# KiCad board Panel3-copy2.kicad_pcb (continued)
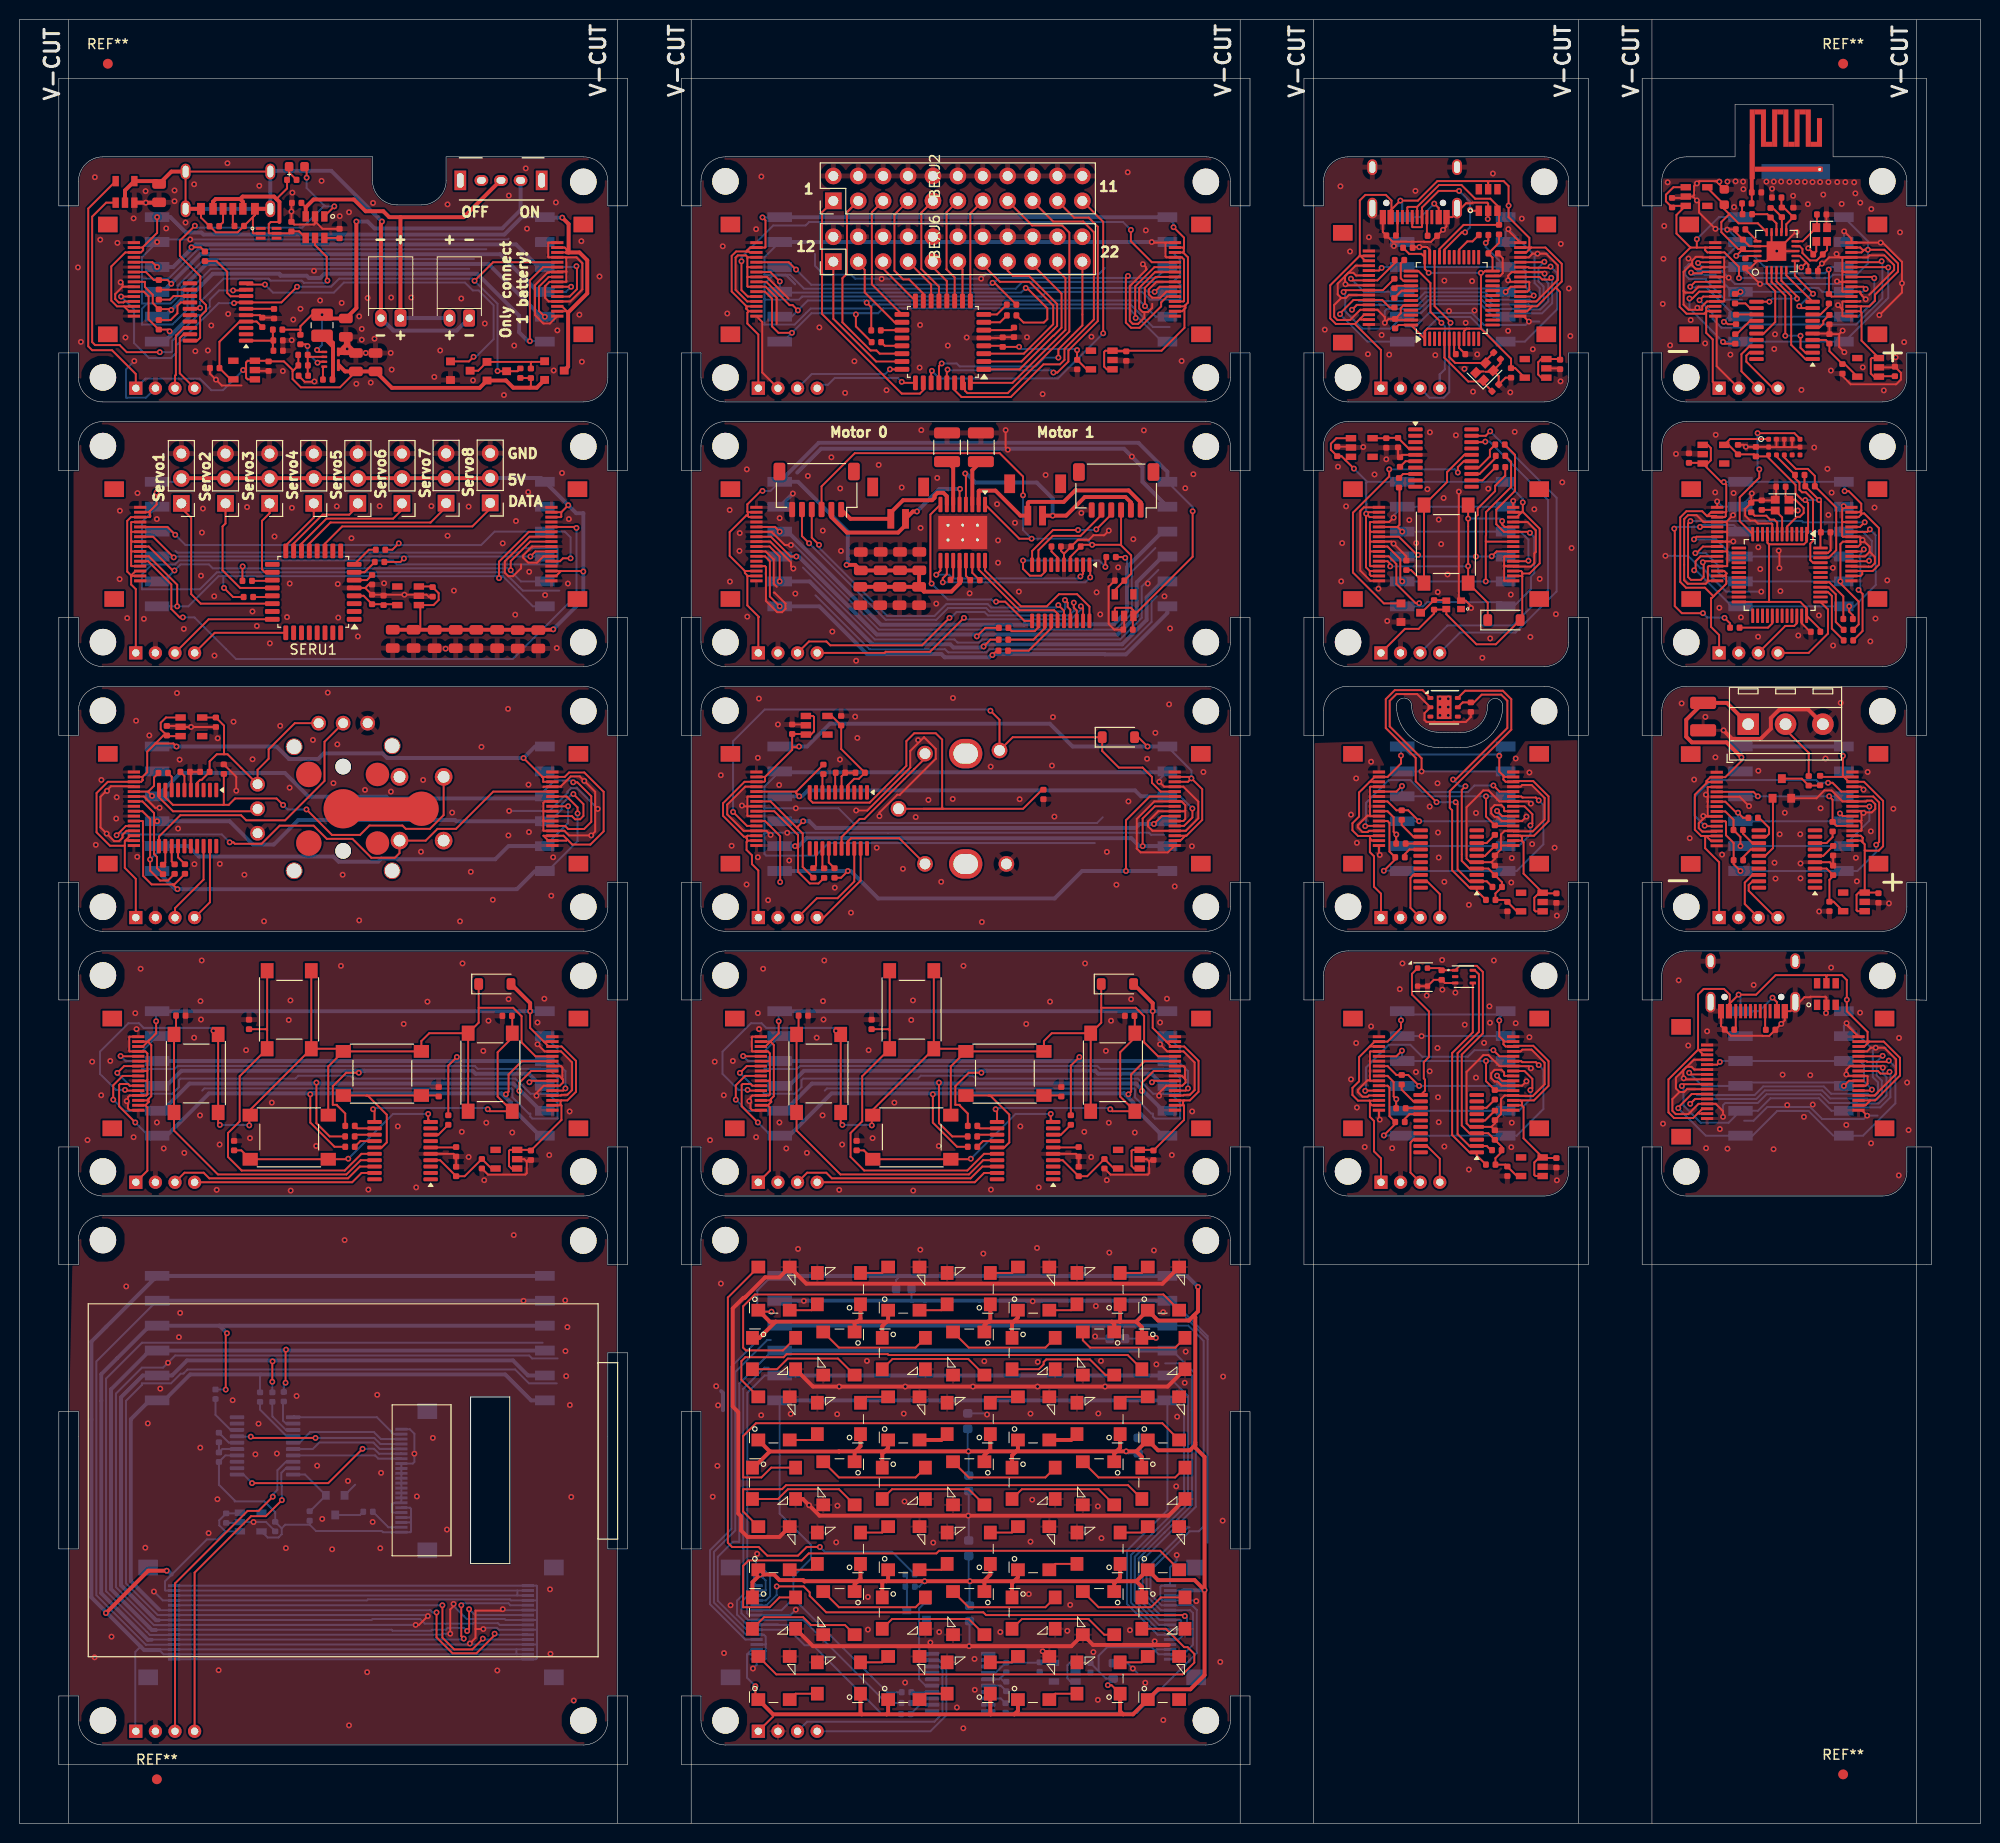
[diagram p0: board, top side]
## Routing (per net, layer and track width the routed paths; a pad name or vN(x,y) marks a point on that pad's centre or on a via; arc(x,y) is an arc through that point) (continued)
  Bottom w0.2: 116.75,100.85 115.4,100.85 115.2,101.05 v1(78.3,101.05) 76.1,101.05 75.97,100.92 ; 75.97,103.55 75.97,105.76 DIAJ3.2 ; 75.97,103.55 75.97,100.92 ; 75.97,103.55 v1(79.17,103.55) 83.53,103.55 85.03,102.05 109.9,102.05 110.47,102.62 ; 75.97,100.92 75.97,98.89 76.14,98.72 81.22,98.72 82.5,100 109.67,100 ; DIAJ5.5 116.25,106.48 v1(116.25,106.25)
  Bottom w0.4: DIAJ3.2 77.61,107.22 116.99,107.22 DIAJ5.5
  vias: v1(71.53,106.92) v1(72.62,99.72) v1(74.15,95.78) v1(75.3,108.7) v1(75.3,98.55) v1(75.41,114.74) v1(76.35,94.17) v1(77.35,112.1) v1(77.47,105.92) v1(78.5,98.22) v1(83.15,95.45) v1(83.67,108.53) v1(84.8,92.9) v1(85.22,112.9) v1(85.45,110.72) v1(87.42,99.53) v1(90.1,97.38) v1(91.4,102.65) v1(91.65,110.5) v1(92.7,104.4) v1(94,96.05) v1(95.2,114.8) v1(95.17,104.5) v1(98.15,91.95) v1(99.05,107.8) v1(102,104.47) v1(105.3,107.9) v1(105.4,112.85) v1(105.55,102.7) v1(110.9,99.1) v1(111.88,95.75) v1(113.1,104.25) v1(115,108.6) v1(115.85,111.25) v1(117.25,114.15) v1(117.82,95.58) v1(119.58,99.67) v1(120.75,107.25)
DIA_Interrupt5V: length 64.2
  Top w0.2: v1(99.03,113.5) 99.95,112.58 DIASW7.S1 101.3,110.8 DIAD2.1 110.42,109.4 112.12,107.7 114.55,107.7 115.5,106.75 115.5,106.15 116.4,105.25 DIAJ2.12 ; DIAJ1.12 74.2,101.75 v1(72.78,103.17)
  Bottom w0.2: v1(72.78,103.17) 72.78,110.4 76,113.62 98.9,113.62 v1(99.03,113.5)
DIA_MISO: length 59.6
  Top w0.2: DIAJ2.9 115.8,103.75 114.55,102.5 v1(114.55,99.69) ; DIAR4.2 81.49,95.88 80.6,95.88 79.4,97.08 79.4,99.78 ; v1(79.1,99.69) 79.19,99.78 79.4,99.78 ; 79.4,99.78 79.4,100.83 76.97,103.25 DIAJ1.9
  Bottom w0.4: DIAJ3.5 v1(79.1,99.69) 79.44,99.69 80.25,100.5 113.4,100.5 114.21,99.69 v1(114.55,99.69) DIAJ5.2
DIA_MOSI: length 63.6
  Top w0.2: DIAR2.2 83.79,96.47 v1(84.47,97.15) ; v1(77.58,96.03) 77.58,100.7 76.03,102.25 DIAJ1.11 ; v1(112.85,97.15) 112.85,102.33 115.28,104.75 DIAJ2.11
  Bottom w0.2: DIAJ3.6 77.58,97.1 v1(77.58,96.03)
  Bottom w0.4: DIAJ3.6 v1(84.47,97.15) 84.78,97.15 87.58,94.35 105.58,94.35 108.38,97.15 v1(112.85,97.15) DIAJ5.1
DIA_Net-(U3-NRST): length 2
  Top w0.2: DIAU3.6 83.19,107.12 DIAC1.1
DIA_Net-(U3-PA1): length 1.9
  Top w0.2: DIAR1.1 81.89,106.94 DIAU3.8
DIA_Net-(U3-PA5): length 2.1
  Top w0.2: DIAU3.12 81.24,97.72 DIAR3.1
DIA_Net-(U3-PA6): length 2.1
  Top w0.2: DIAR4.1 81.89,97.6 DIAU3.13
DIA_Net-(U3-PA7): length 2.3
  Top w0.2: DIAR2.1 82.54,98.02 DIAU3.14
DIA_PS: length 54.8
  Top w0.2: v1(79.53,104.77) 79.23,105.07 79.23,105.25 ; 79.23,105.25 DIAR1.2 ; 79.23,105.25 DIAJ1.5 ; DIAJ2.5 118.77,101.75 119.62,102.61 v1(119.62,103.53)
  Bottom w0.2: v1(119.62,103.53) 118.38,104.77 DIAJ5.4
  Bottom w0.4: DIAJ5.4 114.38,104.77 113.77,105.38 80.4,105.38 79.8,104.77 v1(79.53,104.77) DIAJ3.3
DIA_SCLK: length 54.6
  Top w0.2: 79.35,101.5 79.88,100.97 79.88,97.56 DIAR3.2 ; 79.35,101.5 76.6,104.25 DIAJ1.7 ; 79.35,101.5 79.35,101.66 v1(79.92,102.23) ; DIAJ2.7 116.5,102.75 v1(115.7,101.95)
  Bottom w0.4: DIAJ3.4 v1(79.92,102.23) 80.55,102.23 81.22,101.55 113.85,101.55 114.25,101.95 v1(115.7,101.95) 116.8,101.95 DIAJ5.3
DIA_SW1: length 43.7
  Top w0.2: 92.2,103.5 102.35,103.5 104.3,105.44 DIAR5.2 ; DIASW7.S2 94.2,103.5 94.1,103.6 94.1,110.55 93.45,111.2 91.25,111.2 90.45,110.4 90.45,107.88 86.7,104.12 80.9,104.12 80.59,104.44 DIAU3.10
DIA_SWDCLK: length 9.3
  Top w0.2: DIAJ4.4 82.02,92.4 85.79,96.17 DIAU3.19
DIA_SWDIO: length 10.7
  Top w0.2: DIAU3.18 85.14,96.09 83.42,94.38 81.33,94.38 DIAJ4.3
DIA_VDD: length 10.6
  Top w0.2: DIAU2.5 82.83,112.97 DIAC9.1 83.8,109.6 DIAC2.1 85.6,106.56 85.13,106.56 84.49,105.91 DIAU3.4
DIS_5V: length 70.4
  Top w0.2: DISJ5.14 173.88,127.75 174.12,127.5 173.88,127.25 DISJ5.15 174.03,127.25 174.08,127.2 174.08,126.45 173.32,125.7 173.3,125.7 172.78,125.17 ; DISU2.1 172.18,140.62 172.5,140.3 172.5,139.05 172.18,138.72 DISU2.3 ; 187.85,133.95 187.65,133.75 DISJ3.15 ; 187.85,133.95 187.85,134.62 186.57,135.9 v1(186.15,135.9) ; 187.85,133.95 187.85,133.62 ; DISJ3.3 187.95,127.75 ; 187.95,127.75 189.01,127.75 189.65,128.39 189.65,132.12 188.15,133.62 187.85,133.62 ; 187.95,127.75 187.95,127.42 187.78,127.25 DISJ3.2 ; DISJ3.14 187.57,133.25 187.85,133.53 187.85,133.62 ; 172.12,133.35 171.62,133.85 170.01,133.85 169.38,133.22 169.38,126.64 169.97,126.05 171.9,126.05 172.78,125.17 ; 172.12,133.35 172.53,133.75 DISJ5.2 174.03,133.75 ; 172.12,133.35 173.06,133.35 DISJ5.3 173.93,133.25 174.03,133.35 174.03,133.75 ; DISU2.3 171.61,138.78 DISC8.1 ; DISU2.3 173.57,136.82 v1(173.82,136.82) 174.08,136.57 174.08,133.8 174.03,133.75 ; 172.78,125.17 172.57,124.97 172.53,124.97 172.53,122.05 173.35,121.22 DISJ4.1
  Bottom w0.2: v1(186.15,135.9) 186.15,136.78 DISJ2.6 DISJ1.1 175.5,136.82 v1(173.82,136.82)
DIS_GND: length 91.4
  Top w0.2: DISC9.2 175.88,140.62 v1(176.07,140.43) 176.09,140.41 DISC3.2 178.38,140.41 DISU1.12 179.15,140.39 ; 187.77,130.75 187.77,130.47 187.55,130.25 DISJ3.8 ; 187.77,130.75 188.05,130.75 188.07,130.78 188.15,130.78 188.71,130.21 188.71,129.71 ; 187.77,130.75 187.77,131.2 187.72,131.25 DISJ3.10 ; DISJ5.6 174.12,131.75 174.18,131.7 ; DISJ5.10 174.1,129.75 174.18,129.68 ; 174.18,130.72 174.18,131.7 ; 174.18,130.72 174.18,129.68 ; 174.18,130.72 174.15,130.75 174.03,130.75 ; 174.18,131.7 174.18,132.6 174.03,132.75 DISJ5.4 ; DISJ5.8 174.03,130.75 ; 174.03,130.75 174.78,130.75 v1(174.8,130.77) ; DISJ3.10 185.97,131.25 185.9,131.32 185.9,132.82 ; DISJ3.10 187.65,131.25 v1(187.98,130.93) ; v1(179.43,129.83) 179.5,129.75 v1(179.5,128.05) ; 185.9,132.82 185.9,134.05 186.1,134.25 DISJ3.16 186.17,134.25 v1(186.05,134.37) ; 185.9,132.82 185.97,132.75 DISJ3.13 ; 188.71,129.71 188.25,129.25 DISJ3.6 ; 188.71,129.71 189.24,129.19 189.24,128.55 188.89,128.2 188.58,128.2 188.57,128.2 186.9,128.2 DISJ3.4 ; 179.9,140.39 180.72,140.39 ; 179.9,140.39 180,140.49 DISU1.3 ; 179.9,140.39 179.15,140.39 ; 180.72,140.39 180.8,140.47 DISU1.4 ; 180.72,140.39 DISU1.6 ; DISJ5.4 171.75,132.75 171.05,133.45 170.18,133.45 169.78,133.06 169.78,126.81 170.14,126.45 171.98,126.45 172.28,126.75 ; DISJ5.4 174.07,132.75 v1(174.78,133.45) ; 172.28,126.75 172.2,126.83 172.2,128.17 172.28,128.25 DISJ5.13 174.18,128.25 174.18,129.68 ; 172.28,126.75 DISJ5.16 ; DISC11.1 176.88,134.96 DISC7.1 179.01,134.96 DISY1.2 179.16,135.12 DISC6.1 ; DISC11.1 176,134.09 176,133.4 176.51,132.9 177,132.9 177.3,132.6 178.7,132.6 178.78,132.53 DISU3.8 ; DISC11.1 176.62,135.6 v1(176.69,135.66) ; DISC5.2 182.64,121.55 181.78,122.42 DISU3.35 ; DISJ5.1 173.16,134.84 v1(173.15,134.85) ; DISU1.2 179.2,140.44 179.15,140.39 ; DISC4.2 184.72,131.68 184.72,129.87 184.46,129.6 DISU3.47 ; 180.47,133.93 v1(181.38,133.93)
  Bottom w0.2: DISJ1.2 176.69,135.47 v1(176.69,135.66) ; DISJ1.2 173.69,134.31 v1(173.15,134.85) ; DISJ1.2 174.78,133.56 v1(174.78,133.45) ; v1(167.88,129.3) 170.18,129.3 171.44,128.04 171.68,128.04 174.06,125.65 v1(177.65,125.65)
  vias: v1(168.95,139.7) v1(172.95,135.78) v1(173,141.65) v1(173.38,124) v1(174.82,135.7) v1(175.57,123.03) v1(177.35,130.18) v1(177.32,121.05) v1(177.55,127.95) v1(179.6,125.7) v1(181.43,121.17) v1(183.05,140.35) v1(183.53,123.22) v1(184.4,138.18) v1(184.5,133.47) v1(184.82,135.75) v1(184.95,128.07) v1(184.97,120.15) v1(188.78,120.58) v1(189.2,134.22) v1(189.3,122.9) v1(190.5,126.8)
DIS_Interrupt5V: length 30.2
  Top w0.2: DISJ5.12 171.8,128.75 v1(171.69,128.64) 171.78,128.55 171.78,127.15 171.47,126.85 170.47,126.85 170.18,127.14 170.18,132.61 v1(170.43,132.85) ; DISJ3.12 187.72,132.25 v1(188.2,132.72)
  Bottom w0.2: v1(170.43,132.85) 181.78,132.85 181.9,132.72 v1(188.2,132.72) ; 171.57,128.53 v1(171.69,128.64)
DIS_MISO: length 30.9
  Top w0.2: DISJ5.9 171.7,130.25 171.02,129.57 v1(170.93,129.57) ; DISR8.2 187.59,122.31 187.59,124.63 185.72,126.5 v1(185.72,126.69) 185.72,130.5 185.97,130.75 DISJ3.9
  Bottom w0.2: v1(170.93,129.57) 172,129.57 172.5,129.07 172.28,129.3 173.25,128.32 173.25,127.62 174.19,126.69 DISJ1.5 DISJ2.2
DIS_MISO_UC: length 5.8
  Top w0.2: DISU3.40 184.52,126.1 185.25,125.37 185.25,122.56 186.06,121.75
DIS_MOSI: length 33.1
  Top w0.2: DISJ3.11 188.47,131.75 v1(188.72,132) ; 170.95,127.85 170.95,128.75 171.45,129.25 DISJ5.11 ; v1(186.62,124.15) 186.62,123.6 186.99,123.23 DISR9.2
  Bottom w0.2: v1(170.8,127.83) 170.82,127.85 170.95,127.85 174.65,124.15 DISJ1.6 DISJ2.1 ; v1(186.62,124.15) 187.15,124.15 189.32,126.33 189.32,131.4 v1(188.72,132)
DIS_MOSI_UC: length 5.2
  Top w0.2: DISR9.1 186.02,125.17 184.59,126.6 DISU3.41
DIS_Net-(U3-NRST): length 4.3
  Top w0.2: DISU3.7 179.28,132.7 178.97,133 178.55,133 178.16,133.39 178.16,133.4 176.97,133.4 DISC11.2
DIS_OSC_IN: length 6.9
  Top w0.2: DISC6.2 180.13,135.37 DISY1.1 181.12,135.03 181.97,134.18 181.97,133.68 181.57,133.28 181.27,133.28 180.28,132.28 DISU3.5
DIS_OSC_OUT: length 4.1
  Top w0.2: DISC7.2 179.01,133.99 179.78,133.22 DISU3.6
DIS_PS: length 41.5
  Top w0.2: v1(173.9,122.97) 174.47,122.41 DISR10.2 ; v1(188.64,128.8) 188.59,128.75 DISJ3.5 ; DISJ5.5 171.3,132.25 ; v1(168.78,132.07) 168.82,132.03 168.82,124.17 169.55,123.45 v1(171.7,123.45)
  Bottom w0.2: v1(188.64,128.8) 188.64,129.11 188.93,129.4 188.93,130.82 187.98,131.77 DISJ2.4 DISJ1.3 174.84,132.45 171.6,132.45 v1(171.4,132.25) 168.95,132.25 v1(168.78,132.07) ; v1(173.9,122.97) 173.88,123 172.15,123 v1(171.7,123.45)
DIS_PS_UC: length 4.3
  Top w0.2: DISR10.1 178.33,121.97 178.78,122.42 DISU3.29
DIS_SCL: length 13.8
  Top w0.2: DISU1.10 179.2,139.44 DISR6.1 181.09,137.22 181.54,136.77 181.54,136.04 181.8,135.78 182.19,135.78 182.93,135.05 182.93,130.82 182.65,130.55 182.65,128.87 182.92,128.6 DISU3.45
DIS_SCLK: length 31.6
  Top w0.2: v1(170.78,130.98) 171.05,131.25 DISJ5.7 ; DISR7.2 187.99,121.63 187.99,125.41 v1(187.57,125.83) ; v1(188.11,129.96) 187.92,129.77 187.92,129.75 DISJ3.7
  Bottom w0.2: 187.53,129.23 187.85,129.55 187.85,129.7 v1(188.11,129.96) ; 187.53,129.23 187.75,129.01 187.75,126 v1(187.57,125.83) ; 187.53,129.23 DISJ2.3 DISJ1.4 174.78,129.23 173.02,130.98 v1(170.78,130.98)
DIS_SCLK_UC: length 6.4
  Top w0.2: 186.06,120.67 184.85,121.88 184.85,125.21 184.46,125.6 DISU3.39
DIS_SDA: length 14.6
  Top w0.2: DISU1.9 180,139.34 181.17,138.17 182.4,138.17 183.11,137.46 DISR5.1 185.29,134.22 185.29,129.87 184.52,129.1 DISU3.46
DIS_SWDCLK: length 9.5
  Top w0.2: DISU3.37 184.45,123.84 184.45,121.37 182.48,119.4 DISJ4.4
DIS_SWDIO: length 5.9
  Top w0.2: DISU3.34 181.28,122.42 181.01,122.15 180.1,122.15 DISJ4.3
DIS_VDD: length 51.3
  Top w0.2: 178.47,124.6 DISU3.24 ; 178.47,124.6 181.63,124.6 182.28,123.96 DISU3.36 183.68,121.79 DISC5.1 ; 178.47,124.6 178.44,124.63 178.44,130.47 ; DISU1.1 178.38,141.22 174.47,141.22 DISU2.5 174.31,140.62 DISC9.1 176.89,139.65 DISC3.1 178.25,139.44 DISU1.11 178.4,139.28 181.15,136.54 181.15,135.68 181.84,134.99 v1(182.14,134.99) 182.42,134.7 182.42,131.66 DISU3.1 182.28,130.74 182.01,130.47 178.44,130.47 ; 178.44,130.47 178.28,130.64 DISU3.9 ; DISU3.48 183.69,131.66 DISC4.1 183.73,134.81 v1(183.54,135) DISR5.2 182.06,136.48 DISR6.2
  Bottom w0.2: v1(182.14,134.99) 183.54,134.99 v1(183.54,135)
DIS_XSHUT: length 16.4
  Top w0.2: v1(177.28,141.81) 181.03,141.81 181.6,141.25 DISU1.5 ; DISU3.12 175.45,132.84 175.45,135.28 177.45,137.28 v1(177.45,138.12)
  Bottom w0.2: v1(177.45,138.12) 177.28,138.3 v1(177.28,141.81)
JOY_5V: length 102.5
  Top w0.2: 53.3,106.75 JOYJ5.15 55.6,106.75 56.05,107.2 57.6,107.2 59.57,105.23 59.57,101.2 58.22,99.85 56.38,99.85 55.86,100.36 ; 53.3,106.75 53.4,106.65 53.4,106.25 JOYJ5.14 ; 53.3,106.75 53.3,106.78 v1(51.4,108.67) ; JOYU2.3 15.09,110.91 JOYC8.1 ; JOYJ2.15 10.78,100.25 ; 10.78,100.25 10.73,100.2 10.73,97.47 11.85,96.35 JOYJ4.1 ; 10.78,100.25 11.28,100.75 JOYJ2.14 ; JOYC8.1 14.39,111.6 14.39,112.27 14.93,112.81 JOYU2.1 ; JOYC8.1 14.66,110.97 13.84,110.16 ; 13.84,110.16 13.02,109.33 13.02,107.23 12.53,106.75 ; 13.84,110.16 15.7,110.16 v1(16,109.85) ; 55.86,100.36 55.48,100.75 JOYJ5.3 53.43,100.75 53.93,100.25 JOYJ5.2 55.75,100.25 55.86,100.36 ; 10.73,99.73 9.22,99.73 7.85,101.1 7.85,105.1 9,106.25 JOYJ2.3 12.4,106.25 12.57,106.42 12.53,106.46 12.53,106.75 ; JOYJ2.2 12.53,106.75
  Bottom w0.4: JOYJ1.1 v1(16,109.85) 26.21,109.85 27.48,108.58 30.45,108.58 31.02,109.15 37.01,109.15 37.48,108.67 v1(51.4,108.67) 52.58,109.85
JOY_BUTTON: length 39.5
  Top w0.2: JOYU3.9 14.86,104.68 15.64,103.9 20.77,103.9 ; 20.77,103.9 21.32,103.9 21.98,104.55 26.21,104.55 v1(26.88,103.88) ; 20.77,103.9 20.83,103.96 JOYR6.2 ; JOYU1.D 43.25,102.85 41.85,101.45 39.39,101.45 39.05,101.79 35.68,101.79 34.72,100.83 31.86,100.83 v1(29.26,103.43)
  Bottom w0.2: v1(29.26,103.43) 27.33,103.43 v1(26.88,103.88)
JOY_GND: length 59.6
  Top w0.2: 8.69,105.16 8.85,105.32 v1(8.92,105.32) ; 8.69,105.16 9.33,105.8 11.61,105.8 JOYJ2.4 ; 8.69,105.16 8.25,104.72 8.25,101.6 v1(8.88,100.97) 9.65,100.2 10.14,100.2 10.5,100.55 10.5,100.83 10.91,101.25 JOYJ2.13 ; JOYC9.2 v1(17.49,111.84) 16.44,111.84 JOYU2.2 16.34,111.94 JOYC8.2 ; 53.42,103.29 53.46,103.25 JOYJ5.8 ; 53.42,103.29 53.42,102.32 ; 53.42,103.29 53.42,104.1 53.57,104.25 JOYJ5.10 ; JOYU3.5 17.46,107.17 JOYC1.2 JOYC2.2 ; JOYR6.1 22.1,106.75 v1(22.1,105.34) ; v1(14.28,103.6) 13.83,103.6 12.68,104.75 JOYJ2.6 ; JOYJ5.4 53.47,101.25 53.42,101.3 53.42,102.32 ; 54.36,105.75 55.23,105.75 55.23,105.82 56.22,106.8 57.14,106.8 v1(57.6,106.34) 58.71,105.23 58.71,101.18 v1(58.3,100.78) 56.04,100.78 55.57,101.25 54.36,101.25 ; 53.42,102.32 53.49,102.25 JOYJ5.6 ; JOYJ5.13 53.47,105.75 53.42,105.7
  Bottom w0.2: v1(58.97,103.49) 56.86,105.6 56.24,105.6 55.88,105.25 55.88,105.11 54.05,103.28 v1(49.93,103.28) ; JOYU1.6 24.74,101.47
  vias: v1(7.77,99.82) v1(8.34,106.44) v1(9.9,104.67) v1(9.85,102.5) v1(11.88,112.48) v1(12,98.6) v1(13.23,110.98) v1(16.05,115.3) v1(16.16,101.48) v1(16.32,108.51) v1(17.83,97.85) v1(20.2,110.69) v1(20.42,97.88) v1(21.82,112.38) v1(22.93,96.77) v1(23.76,108.55) v1(24.93,92.02) v1(26.58,111.96) v1(27.54,105.65) v1(29.92,110.52) v1(31.43,115.35) v1(32.01,106.11) v1(32.41,110.07) v1(32.95,96.77) v1(34.64,92.11) v1(35.23,105.43) v1(37.87,105.25) v1(40.94,99.12) v1(41.16,106.44) v1(44.12,103.11) v1(44.92,92.02) v1(46.02,97.07) v1(47.11,109.81) v1(48.27,94.22) v1(49.82,113.69) v1(49.86,100.78) v1(51.91,105.96) v1(51.95,101.12) v1(54.23,94.63) v1(54.42,98.55)
JOY_HORIZONTAL: length 27.3
  Top w0.2: JOYU1.2 31.1,110.33 31.1,106.34 27.08,102.32 23.11,102.32 22.59,102.84 16.39,102.84 14.21,100.66 JOYU3.11
JOY_Interrupt5V: length 52.7
  Top w0.2: v1(21.43,100.08) 21.81,100.08 21.96,99.92 24.68,99.92 26.53,101.78 29.99,101.78 31.33,100.43 33.95,100.43 35.88,98.5 38.27,98.5 38.75,98.98 JOYU1.A 41.42,100.25 42.62,101.45 44.51,101.45 48.31,105.25 JOYJ5.12 ; v1(9.89,100.8) 10.84,101.74 11.61,101.74
  Bottom w0.2: v1(9.89,100.8) 10.09,101 11.07,101 11.19,100.88 20.62,100.88 v1(21.43,100.08)
JOY_MISO: length 58.7
  Top w0.2: v1(55.94,103.76) 55.93,103.75 54.36,103.75 ; JOYR4.2 15.13,96.18 14.32,96.18 13.31,97.19 v1(13.31,98.33) 13.31,102.47 12.53,103.25 JOYJ2.9
  Bottom w0.2: v1(13.31,98.33) 14.03,99.04 JOYJ1.5 ; v1(55.94,103.76) 55.94,102.06 53.58,99.69
  Bottom w0.4: JOYJ1.5 17.23,99.69 18.3,98.62 32.02,98.62 32.54,98.1 36.58,98.1 36.9,98.42 38.52,98.42 38.59,98.35 48.52,98.35 49.86,99.69 52.58,99.69
JOY_MOSI: length 64.4
  Top w0.2: 15.6,95.78 15.62,95.78 v1(16.1,95.3) ; 15.6,95.78 13.47,95.78 12.6,96.65 12.6,100.2 12.58,100.22 12.58,102.2 12.53,102.25 JOYJ2.11 ; 15.6,95.78 15.78,95.78 JOYR2.2 ; 54.36,104.75 55.8,104.75 56.91,103.64 v1(56.91,103.03)
  Bottom w0.2: 52.58,97.15 53.87,97.15 56.91,100.19 v1(56.91,103.03)
  Bottom w0.4: 52.58,97.15 50.73,95.3 v1(16.1,95.3) 15.88,95.3 JOYJ1.6
JOY_Net-(U3-NRST): length 2
  Top w0.2: JOYC1.1 16.81,106.85 JOYU3.6
JOY_Net-(U3-PA1): length 1.9
  Top w0.2: JOYR1.1 15.51,106.77 JOYU3.8
JOY_Net-(U3-PA5): length 2
  Top w0.2: JOYU3.12 14.86,98.03 JOYR3.1
JOY_Net-(U3-PA6): length 2
  Top w0.2: JOYU3.13 15.51,98.13 JOYR4.1
JOY_Net-(U3-PA7): length 2.1
  Top w0.2: JOYU3.14 16.16,98.54 JOYR2.1
JOY_PS: length 59.5
  Top w0.2: v1(56.46,106.2) 56.89,106.2 58.31,104.78 58.31,102.16 57.58,101.44 55.95,101.44 55.64,101.75 54.36,101.75 ; 14.16,107.15 13.71,106.7 13.71,105.84 13.12,105.25 ; v1(13.51,104.81) 13.12,105.21 13.12,105.25 ; 13.12,105.25 JOYJ2.5 ; 11.57,105.2 11.61,105.24
  Bottom w0.2: 52.96,104.77 54.57,106.38 56.28,106.38 v1(56.46,106.2)
  Bottom w0.4: JOYJ1.3 16.41,107.15 27.05,107.15 29.48,104.73 37.4,104.73 37.58,104.55 53.35,104.55
JOY_SCLK: length 61.6
  Top w0.2: v1(14.03,102.23) 14,102.2 13.71,102.2 ; 13.71,102.2 13.71,98.88 14.01,98.58 14.01,97.44 JOYR3.2 ; 13.71,102.2 13.71,103.07 12.53,104.25 JOYJ2.7 ; 54.36,102.75 56.34,102.75 56.66,102.43 57.17,102.43 57.51,102.76 57.51,103.98 v1(56.48,105)
  Bottom w0.2: 53.58,102.23 54.09,102.23 55.29,103.43 55.29,103.95 56.34,105 v1(56.48,105)
  Bottom w0.4: 53.58,102.23 44.54,102.23 44.42,102.35 28.43,102.35 25.93,99.85 23.79,99.85 21.41,102.23 v1(14.03,102.23)
JOY_SWDCLK: length 7.9
  Top w0.2: JOYU3.19 19.41,93.96 JOYJ4.4
JOY_SWDIO: length 8.5
  Top w0.2: JOYJ4.3 15.85,93.36 18.76,96.28 JOYU3.18
JOY_VDD: length 25.7
  Top w0.2: JOYU1.1 28.07,112.23 25.4,109.56 25.4,108.6 24.27,107.47 JOYU1.4 21.21,109.06 20.85,109.06 ; 20.85,109.06 20.85,111.98 JOYC9.1 JOYU2.5 ; 20.85,109.06 20.11,109.06 19.38,108.33 JOYC2.1 18.57,106.45 18.41,106.45 18.11,106.15 JOYU3.4
JOY_VERTICAL: length 12
  Top w0.2: JOYU3.10 14.21,104.68 15.65,103.24 24.51,103.24 ; JOYU1.5 24.01,103.24
LED_5V: length 83.9
  Top w0.2: LEDJ4.1 173.35,98.05 171.93,99.47 171.93,100.72 ; LEDC8.1 189.53,94.95 LEDU2.3 ; 172.03,100.72 172.53,100.22 LEDJ5.15 ; 172.03,100.72 171.93,100.72 ; 172.03,100.72 LEDJ5.14 ; 187.99,100.09 187.82,100.25 LEDJ7.2 ; 187.99,100.09 188.2,99.88 188.2,99.28 ; 187.99,100.09 187.99,100.49 188.03,100.53 187.8,100.75 LEDJ7.3 ; 172.06,106.12 172.06,106.33 172.45,106.72 LEDJ5.2 173.98,106.72 175.62,108.37 v1(175.62,108.75) ; 172.06,106.12 172.16,106.22 LEDJ5.3 ; 172.06,106.12 170.88,104.94 170.88,101.36 171.51,100.72 171.93,100.72 ; LEDU2.3 187.6,94.95 187.37,94.72 187.37,93.15 187.47,93.05 LEDU2.1 ; LEDU2.3 188.2,99.28 ; 188.2,99.28 188.25,99.22 189.62,99.22 190.07,99.68 190.07,104.3 188.13,106.25 LEDJ7.14 186.57,106.25 185.97,106.85 ; 185.97,106.85 186.07,106.75 LEDJ7.15 183.76,106.75 LEDR7.1 ; 185.97,106.85 v1(185.97,108.9)
  Top w0.4: v1(175.62,108.75) 174.1,110.28 170.57,110.28 170,110.85 170,112.58 LEDC4.1 174.15,114.3 LEDJ2.1
  Bottom w0.2: LEDJ3.6 185.97,109.75 v1(185.97,108.9) ; LEDJ1.1 175.62,109.75 v1(175.62,108.75)
  Bottom w0.4: LEDJ1.1 LEDJ3.6
LED_GND: length 49.3
  Top w0.2: LEDJ5.13 173.06,101.17 171.63,101.17 171.28,101.53 171.28,102.02 171.98,102.72 172.23,102.72 ; 172.23,102.72 172.18,102.78 172.18,104.2 ; 172.23,102.72 LEDJ5.10 171.77,102.72 v1(171.74,102.76) ; LEDQ3.2 183.28,104.57 184.08,105.37 184.82,105.37 185.94,104.25 LEDJ7.10 188.35,104.25 188.43,104.33 188.92,104.33 189.28,103.97 189.28,103.48 188.92,103.12 187.95,103.12 187.88,103.2 ; v1(172,104.94) 172.18,104.76 172.18,104.2 ; LEDJ5.6 175.44,104.72 v1(176.4,103.77) ; 187.88,103.2 187.88,102.3 187.82,102.25 LEDJ7.6 ; 187.88,103.2 187.82,103.25 LEDJ7.8 187.9,103.25 v1(188.07,103.07) ; LEDJ5.4 172.23,105.72 172.18,105.67 172.18,104.2 ; LEDU3.5 184.63,98.05 LEDC2.2 LEDC1.2 ; LEDJ7.13 187.78,105.75 v1(188.08,105.45) ; 187.68,102.25 187.88,102.05 187.88,101.3 187.82,101.25 LEDJ7.4
  Top w0.4: LEDJ2.3 182.44,113.63 179.5,113.63 178.62,112.75 178.62,111.67 177.59,110.63 174.67,110.63 v1(173.8,111.5)
  vias: v1(169.53,114.25) v1(170.35,100.5) v1(170.8,106.47) v1(171.95,112.88) v1(172.97,108.75) v1(173.65,98.83) v1(177.35,107.38) v1(179,98) v1(179.1,96.38) v1(179.53,100.9) v1(180.05,103.1) v1(181.62,100.9) v1(181.65,97.92) v1(181.65,96.4) v1(183.55,93.03) v1(183.7,103.55) v1(184.2,108.62) v1(185.75,114.3) v1(187.3,98.5) v1(187.4,96.1) v1(188.5,107.25) v1(188.82,101.2) v1(190.68,93.85) v1(191.12,103.5)
LED_Interrupt5V: length 21.9
  Top w0.2: LEDJ5.12 171.93,101.72 v1(171.88,101.78) ; v1(184.46,106.15) 184.92,106.15 185.82,105.25 LEDJ7.12
  Bottom w0.2: v1(184.46,106.15) 183.53,106.15 183.25,106.42 172.57,106.42 170.85,104.7 170.85,102.8 v1(171.88,101.78)
LED_LED_DATA: length 6.9
  Top w0.2: LEDU3.15 178.06,98.7 178.84,99.48 178.84,104.53 LEDQ3.1
LED_MISO: length 22.4
  Top w0.2: v1(188.68,103.72) 188.65,103.75 LEDJ7.9 ; v1(175.53,99.69) 175.53,100.62 LEDR4.2 174.81,102.39 173.98,103.22 LEDJ5.9
  Bottom w0.2: v1(175.53,99.69) LEDJ3.2 188.68,102.29 v1(188.68,103.72)
LED_MOSI: length 29.4
  Top w0.2: LEDJ7.11 189.06,104.75 189.68,104.14 189.68,100.12 v1(189.38,99.83) ; LEDJ5.11 173.98,102.22 174.05,102.16 174.05,100.8 174.83,100.02 LEDR2.2 174.83,97.84 v1(175.53,97.15)
  Bottom w0.2: v1(175.53,97.15) LEDJ3.1 187.45,97.15 189.38,99.08 v1(189.38,99.83)
LED_Net-(J2-Pin_2): length 5.9
  Top w0.2: LEDR5.2 182.49,109.21 180.03,111.67
LED_Net-(Q3-D): length 4.2
  Top w0.2: LEDR7.2 183.62,105.86 LEDR5.1 181.78,106.57 LEDQ3.3
LED_Net-(U3-NRST): length 2.3
  Top w0.2: LEDC1.1 183.97,98.7 LEDU3.6
LED_Net-(U3-PA1): length 2.6
  Top w0.2: LEDU3.8 184.31,100 184.93,100.61 LEDR1.1
LED_Net-(U3-PA5): length 3.3
  Top w0.2: LEDR3.1 177.43,102.58 178.44,101.57 178.44,100.94 178.15,100.65 LEDU3.12
LED_Net-(U3-PA6): length 2.4
  Top w0.2: 175.78,101.33 175.78,100.96 176.75,100 LEDU3.13
LED_Net-(U3-PA7): length 2.2
  Top w0.2: LEDR2.1 175.8,98.57 176.58,99.35 LEDU3.14
LED_PS: length 19.9
  Top w0.2: LEDJ7.5 185.34,101.75 LEDR1.2 184.93,104.42 v1(184.57,104.77) ; LEDJ5.5 176.84,105.22 v1(177.3,104.77)
  Bottom w0.2: LEDJ1.3 v1(177.3,104.77) v1(184.57,104.77) LEDJ3.4
LED_SCLK: length 17.8
  Top w0.2: LEDJ7.7 185.95,102.75 v1(185.68,103.03) ; LEDJ5.7 173.98,104.22 175.1,103.1 v1(175.28,103.1) 175.8,102.58 LEDR3.2
  Bottom w0.2: v1(185.68,103.03) 185.68,102.63 LEDJ3.3 LEDJ1.4 175.28,102.48 v1(175.28,103.1)
LED_SWDCLK: length 5.9
  Top w0.2: LEDJ4.4 179.1,92.4 176.37,95.13 176.37,95.72 176.75,96.1 LEDU3.19
LED_SWDIO: length 5.9
  Top w0.2: LEDJ4.3 175.97,93.78 175.97,95.97 176.75,96.75 LEDU3.18
LED_VDD: length 6.8
  Top w0.2: LEDU3.4 184.31,97.4 LEDC2.1 184.98,96.63 184.6,96.25 LEDC9.1 185.03,94.02 LEDU2.5
LIG_5V: length 65.2
  Top w0.2: LIGC8.1 155.41,67.87 LIGU2.3 ; 137.73,73.43 137.73,72.07 138.15,71.65 138.15,68.55 138.86,67.84 LIGJ4.1 ; 151.35,79.87 151.35,79.48 151.57,79.25 LIGJ3.14 152.42,79.33 154.39,79.33 155.95,77.76 155.95,75.24 154.46,73.75 153.07,73.75 ; 151.35,79.87 150.93,80.3 v1(150.93,81.9) ; 151.35,79.87 151.47,79.75 LIGJ3.15 ; 153.22,73.25 153.4,73.07 153.4,69.89 LIGU2.3 ; 153.22,73.25 LIGJ3.2 ; 153.22,73.25 153.25,73.28 153.25,73.58 153.07,73.75 ; LIGJ5.3 137.71,79.25 ; 137.71,79.25 138.21,79.75 LIGJ5.2 139.53,79.75 140.9,81.12 v1(140.9,81.92) ; 137.71,79.25 136.62,78.16 136.62,75.7 135.95,75.03 135.95,74.3 136.53,73.72 137.68,73.72 ; LIGU2.3 155.01,67.94 154.5,67.42 154.5,66.16 154.62,66.03 LIGU2.1 ; 137.68,73.72 137.75,73.65 137.75,73.45 137.95,73.25 LIGJ5.15 ; 137.68,73.72 138.63,73.72 LIGJ5.14 ; 153.07,73.75 LIGJ3.3
  Bottom w0.2: v1(140.9,81.92) 140.9,82.72 LIGJ1.1 141.36,82.51 151.24,82.51 LIGJ2.6 150.93,82.2 v1(150.93,81.9)
LIG_GND: length 64.2
  Top w0.2: 151.1,72.67 151.1,73.88 151.47,74.25 LIGJ3.4 152.4,74.2 154.35,74.2 155.55,75.4 155.55,77.6 154.22,78.92 153.28,78.92 153.1,78.75 LIGJ3.13 ; 151.1,72.67 151.17,72.75 LIGJ3.1 ; 151.1,72.67 151.1,72.36 LIGC1.2 150.48,71.4 150.13,71.05 ; LIGU4.2 LIGU4.3 144.25,86.05 LIGC3.2 145.38,85.72 LIGU1.3 ; LIGJ5.13 137.62,74.25 137.5,74.12 136.97,74.12 136.5,74.6 136.5,74.83 137.47,75.8 137.73,75.8 ; 137.73,75.8 137.78,75.75 LIGJ5.10 ; 137.73,75.8 137.73,78.7 137.78,78.75 LIGJ5.4 ; v1(138.73,71.79) 138.66,71.87 LIGJ5.16 ; 150.13,71.05 LIGU3.5 147.95,71.05 147.59,71.41 147.59,76.67 149.29,78.37 149.82,78.37 150.94,77.25 LIGJ3.10 153.93,77.25 v1(154.15,77.03) ; 150.13,71.05 LIGC2.2 ; v1(153.7,75.7) 153.25,75.25 LIGJ3.6 151.16,75.25 150.73,75.67 150.45,75.67 150.1,76.03 150.1,76.52 150.45,76.88 151.15,76.88 151.42,76.6 151.42,76.3 151.47,76.25 LIGJ3.8
  Bottom w0.2: LIGJ2.5 v1(143,80.31) LIGJ1.2
  vias: v1(135.8,75.9) v1(136.32,79.6) v1(136.4,73.03) v1(137.2,69) v1(137.85,81.3) v1(140,68.88) v1(140.78,85.1) v1(141.05,87.72) v1(142.43,76.65) v1(143.53,84.45) v1(143.82,76.72) v1(144.62,79.1) v1(144.68,74.08) v1(144.75,71.53) v1(145.1,88.08) v1(145.12,85.05) v1(145.32,69.05) v1(146.45,84.75) v1(147.4,81.47) v1(147.82,66.7) v1(148.55,76.08) v1(149.38,79.62) v1(149.93,83.35) v1(149.97,81.67) v1(150.38,88.03) v1(152.2,71.47) v1(152.15,68.97) v1(152.6,81.62) v1(154,80.2) v1(156.8,65.6)
LIG_Interrupt5V: length 20.9
  Top w0.2: LIGJ3.12 150.95,78.25 v1(150.32,78.88) ; v1(137.25,74.72) 137.28,74.75 LIGJ5.12
  Bottom w0.2: v1(150.32,78.88) 148.4,78.88 147.72,78.2 143.07,78.2 141.85,79.42 139.65,79.42 137.32,77.1 137.32,74.8 v1(137.25,74.72)
